# KiCad board Inn BEC Panelized_panelized.kicad_pcb (continued)
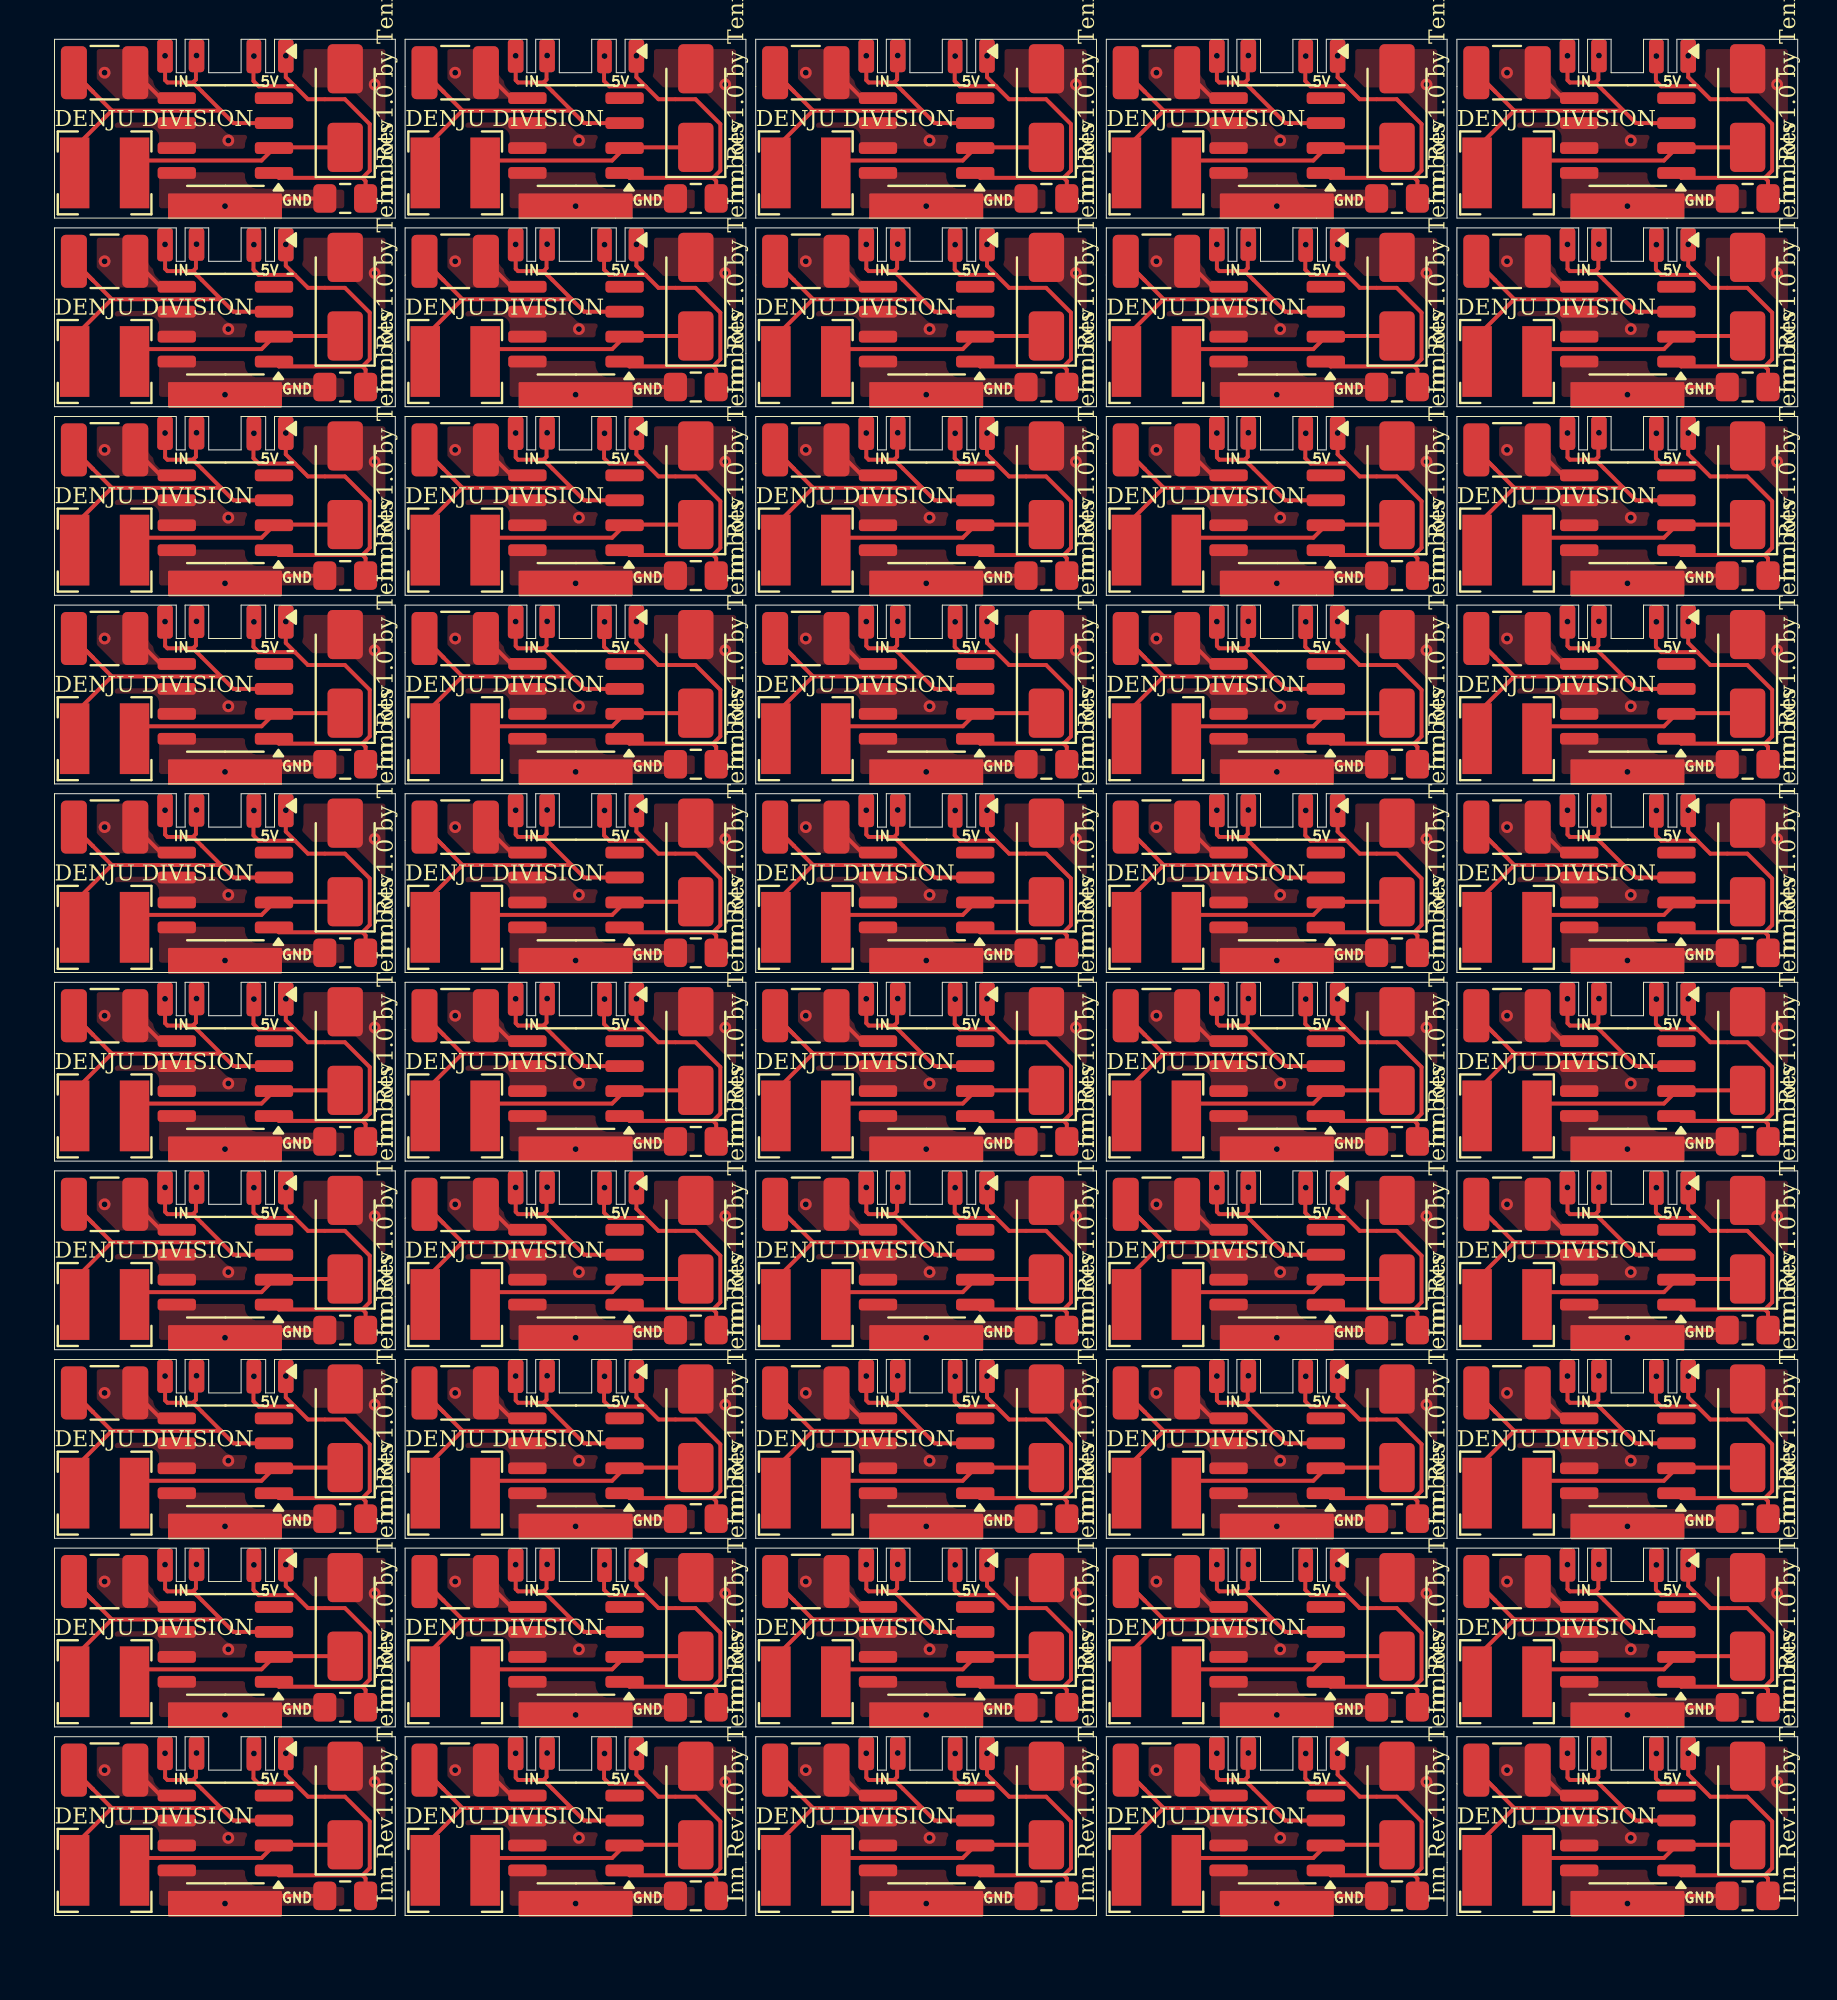
[diagram p0: board, top side]
## Placement (name value [footprint] x y rotation side) (continued)
J1#10  Conn_01x03_Socket  [TO-252-2]  8.68 41.85 270 top
J1#11  Conn_01x03_Socket  [TO-252-2]  80.08 3.45 270 top
J1#12  Conn_01x03_Socket  [TO-252-2]  8.68 89.85 270 top
J1#13  Conn_01x03_Socket  [TO-252-2]  62.23 41.85 270 top
J1#14  Conn_01x03_Socket  [TO-252-2]  80.08 13.05 270 top
J1#15  Conn_01x03_Socket  [TO-252-2]  62.23 32.25 270 top
J1#16  Conn_01x03_Socket  [TO-252-2]  26.53 32.25 270 top
J1#17  Conn_01x03_Socket  [TO-252-2]  8.68 3.45 270 top
J1#18  Conn_01x03_Socket  [TO-252-2]  26.53 3.45 270 top
J1#19  Conn_01x03_Socket  [TO-252-2]  62.23 80.25 270 top
J1#20  Conn_01x03_Socket  [TO-252-2]  8.68 51.45 270 top
J1#21  Conn_01x03_Socket  [TO-252-2]  80.08 41.85 270 top
J1#22  Conn_01x03_Socket  [TO-252-2]  44.38 41.85 270 top
J1#23  Conn_01x03_Socket  [TO-252-2]  44.38 61.05 270 top
J1#24  Conn_01x03_Socket  [TO-252-2]  80.08 32.25 270 top
J1#25  Conn_01x03_Socket  [TO-252-2]  8.68 22.65 270 top
J1#26  Conn_01x03_Socket  [TO-252-2]  26.53 22.65 270 top
J1#27  Conn_01x03_Socket  [TO-252-2]  44.38 13.05 270 top
J1#28  Conn_01x03_Socket  [TO-252-2]  44.38 80.25 270 top
J1#29  Conn_01x03_Socket  [TO-252-2]  26.53 61.05 270 top
J1#30  Conn_01x03_Socket  [TO-252-2]  62.23 13.05 270 top
J1#31  Conn_01x03_Socket  [TO-252-2]  62.23 89.85 270 top
J1#32  Conn_01x03_Socket  [TO-252-2]  80.08 61.05 270 top
J1#33  Conn_01x03_Socket  [TO-252-2]  62.23 22.65 270 top
J1#34  Conn_01x03_Socket  [TO-252-2]  62.23 70.65 270 top
J1#35  Conn_01x03_Socket  [TO-252-2]  44.38 89.85 270 top
J1#36  Conn_01x03_Socket  [TO-252-2]  62.23 3.45 270 top
J1#37  Conn_01x03_Socket  [TO-252-2]  26.53 51.45 270 top
J1#38  Conn_01x03_Socket  [TO-252-2]  80.08 80.25 270 top
J1#39  Conn_01x03_Socket  [TO-252-2]  44.38 3.45 270 top
J1#40  Conn_01x03_Socket  [TO-252-2]  62.23 51.45 270 top
J1#41  Conn_01x03_Socket  [TO-252-2]  8.68 32.25 270 top
J1#42  Conn_01x03_Socket  [TO-252-2]  80.08 22.65 270 top
J1#43  Conn_01x03_Socket  [TO-252-2]  8.68 70.65 270 top
J1#44  Conn_01x03_Socket  [TO-252-2]  26.53 41.85 270 top
J1#45  Conn_01x03_Socket  [TO-252-2]  26.53 80.25 270 top
J1#46  Conn_01x03_Socket  [TO-252-2]  80.08 51.45 270 top
J1#47  Conn_01x03_Socket  [TO-252-2]  26.53 70.65 270 top
J1#48  Conn_01x03_Socket  [TO-252-2]  44.38 70.65 270 top
J1#49  Conn_01x03_Socket  [TO-252-2]  8.68 61.05 270 top
J1#50  Conn_01x03_Socket  [TO-252-2]  44.38 51.45 270 top
L1  68uH  [L_Bourns-SRN4018]  2.55 40.7 180 top
L1#2  68uH  [L_Bourns-SRN4018]  38.25 79.1 180 top
L1#3  68uH  [L_Bourns-SRN4018]  73.95 50.3 180 top
L1#4  68uH  [L_Bourns-SRN4018]  56.1 31.1 180 top
L1#5  68uH  [L_Bourns-SRN4018]  20.4 21.5 180 top
L1#6  68uH  [L_Bourns-SRN4018]  20.4 11.9 180 top
L1#7  68uH  [L_Bourns-SRN4018]  73.95 31.1 180 top
L1#8  68uH  [L_Bourns-SRN4018]  38.25 88.7 180 top
L1#9  68uH  [L_Bourns-SRN4018]  56.1 40.7 180 top
L1#10  68uH  [L_Bourns-SRN4018]  73.95 79.1 180 top
L1#11  68uH  [L_Bourns-SRN4018]  56.1 79.1 180 top
L1#12  68uH  [L_Bourns-SRN4018]  56.1 59.9 180 top
L1#13  68uH  [L_Bourns-SRN4018]  20.4 79.1 180 top
L1#14  68uH  [L_Bourns-SRN4018]  73.95 2.3 180 top
L1#15  68uH  [L_Bourns-SRN4018]  20.4 59.9 180 top
L1#16  68uH  [L_Bourns-SRN4018]  20.4 50.3 180 top
L1#17  68uH  [L_Bourns-SRN4018]  56.1 69.5 180 top
L1#18  68uH  [L_Bourns-SRN4018]  56.1 21.5 180 top
L1#19  68uH  [L_Bourns-SRN4018]  73.95 69.5 180 top
L1#20  68uH  [L_Bourns-SRN4018]  2.55 2.3 180 top
L1#21  68uH  [L_Bourns-SRN4018]  73.95 40.7 180 top
L1#22  68uH  [L_Bourns-SRN4018]  2.55 11.9 180 top
L1#23  68uH  [L_Bourns-SRN4018]  2.55 31.1 180 top
L1#24  68uH  [L_Bourns-SRN4018]  2.55 88.7 180 top
L1#25  68uH  [L_Bourns-SRN4018]  20.4 31.1 180 top
L1#26  68uH  [L_Bourns-SRN4018]  56.1 2.3 180 top
L1#27  68uH  [L_Bourns-SRN4018]  2.55 59.9 180 top
L1#28  68uH  [L_Bourns-SRN4018]  38.25 2.3 180 top
L1#29  68uH  [L_Bourns-SRN4018]  73.95 88.7 180 top
L1#30  68uH  [L_Bourns-SRN4018]  73.95 59.9 180 top
L1#31  68uH  [L_Bourns-SRN4018]  56.1 88.7 180 top
L1#32  68uH  [L_Bourns-SRN4018]  56.1 11.9 180 top
L1#33  68uH  [L_Bourns-SRN4018]  38.25 21.5 180 top
L1#34  68uH  [L_Bourns-SRN4018]  38.25 59.9 180 top
L1#35  68uH  [L_Bourns-SRN4018]  20.4 40.7 180 top
L1#36  68uH  [L_Bourns-SRN4018]  73.95 11.9 180 top
L1#37  68uH  [L_Bourns-SRN4018]  2.55 21.5 180 top
L1#38  68uH  [L_Bourns-SRN4018]  38.25 31.1 180 top
L1#39  68uH  [L_Bourns-SRN4018]  2.55 69.5 180 top
L1#40  68uH  [L_Bourns-SRN4018]  38.25 11.9 180 top
L1#41  68uH  [L_Bourns-SRN4018]  38.25 69.5 180 top
L1#42  68uH  [L_Bourns-SRN4018]  2.55 50.3 180 top
L1#43  68uH  [L_Bourns-SRN4018]  20.4 88.7 180 top
L1#44  68uH  [L_Bourns-SRN4018]  38.25 50.3 180 top
L1#45  68uH  [L_Bourns-SRN4018]  20.4 69.5 180 top
L1#46  68uH  [L_Bourns-SRN4018]  2.55 79.1 180 top
L1#47  68uH  [L_Bourns-SRN4018]  56.1 50.3 180 top
L1#48  68uH  [L_Bourns-SRN4018]  20.4 2.3 180 top
L1#49  68uH  [L_Bourns-SRN4018]  73.95 21.5 180 top
L1#50  68uH  [L_Bourns-SRN4018]  38.25 40.7 180 top
U1  XL1509-5.0  [SOIC-8_3.9x4.9mm_P1.27mm]  26.55 90.6 180 top
U1#2  XL1509-5.0  [SOIC-8_3.9x4.9mm_P1.27mm]  44.4 13.8 180 top
U1#3  XL1509-5.0  [SOIC-8_3.9x4.9mm_P1.27mm]  8.7 81 180 top
U1#4  XL1509-5.0  [SOIC-8_3.9x4.9mm_P1.27mm]  44.4 71.4 180 top
U1#5  XL1509-5.0  [SOIC-8_3.9x4.9mm_P1.27mm]  8.7 71.4 180 top
U1#6  XL1509-5.0  [SOIC-8_3.9x4.9mm_P1.27mm]  26.55 52.2 180 top
U1#7  XL1509-5.0  [SOIC-8_3.9x4.9mm_P1.27mm]  44.4 4.2 180 top
U1#8  XL1509-5.0  [SOIC-8_3.9x4.9mm_P1.27mm]  8.7 90.6 180 top
U1#9  XL1509-5.0  [SOIC-8_3.9x4.9mm_P1.27mm]  62.25 90.6 180 top
U1#10  XL1509-5.0  [SOIC-8_3.9x4.9mm_P1.27mm]  8.7 61.8 180 top
U1#11  XL1509-5.0  [SOIC-8_3.9x4.9mm_P1.27mm]  44.4 90.6 180 top
U1#12  XL1509-5.0  [SOIC-8_3.9x4.9mm_P1.27mm]  62.25 52.2 180 top
U1#13  XL1509-5.0  [SOIC-8_3.9x4.9mm_P1.27mm]  80.1 61.8 180 top
U1#14  XL1509-5.0  [SOIC-8_3.9x4.9mm_P1.27mm]  62.25 13.8 180 top
U1#15  XL1509-5.0  [SOIC-8_3.9x4.9mm_P1.27mm]  80.1 52.2 180 top
U1#16  XL1509-5.0  [SOIC-8_3.9x4.9mm_P1.27mm]  44.4 52.2 180 top
U1#17  XL1509-5.0  [SOIC-8_3.9x4.9mm_P1.27mm]  44.4 33 180 top
U1#18  XL1509-5.0  [SOIC-8_3.9x4.9mm_P1.27mm]  62.25 33 180 top
U1#19  XL1509-5.0  [SOIC-8_3.9x4.9mm_P1.27mm]  80.1 71.4 180 top
U1#20  XL1509-5.0  [SOIC-8_3.9x4.9mm_P1.27mm]  26.55 61.8 180 top
U1#21  XL1509-5.0  [SOIC-8_3.9x4.9mm_P1.27mm]  62.25 4.2 180 top
U1#22  XL1509-5.0  [SOIC-8_3.9x4.9mm_P1.27mm]  80.1 4.2 180 top
U1#23  XL1509-5.0  [SOIC-8_3.9x4.9mm_P1.27mm]  44.4 42.6 180 top
U1#24  XL1509-5.0  [SOIC-8_3.9x4.9mm_P1.27mm]  8.7 33 180 top
U1#25  XL1509-5.0  [SOIC-8_3.9x4.9mm_P1.27mm]  8.7 4.2 180 top
U1#26  XL1509-5.0  [SOIC-8_3.9x4.9mm_P1.27mm]  26.55 33 180 top
U1#27  XL1509-5.0  [SOIC-8_3.9x4.9mm_P1.27mm]  26.55 42.6 180 top
U1#28  XL1509-5.0  [SOIC-8_3.9x4.9mm_P1.27mm]  80.1 42.6 180 top
U1#29  XL1509-5.0  [SOIC-8_3.9x4.9mm_P1.27mm]  8.7 42.6 180 top
U1#30  XL1509-5.0  [SOIC-8_3.9x4.9mm_P1.27mm]  8.7 52.2 180 top
U1#31  XL1509-5.0  [SOIC-8_3.9x4.9mm_P1.27mm]  62.25 81 180 top
U1#32  XL1509-5.0  [SOIC-8_3.9x4.9mm_P1.27mm]  26.55 13.8 180 top
U1#33  XL1509-5.0  [SOIC-8_3.9x4.9mm_P1.27mm]  62.25 42.6 180 top
U1#34  XL1509-5.0  [SOIC-8_3.9x4.9mm_P1.27mm]  26.55 81 180 top
U1#35  XL1509-5.0  [SOIC-8_3.9x4.9mm_P1.27mm]  26.55 4.2 180 top
U1#36  XL1509-5.0  [SOIC-8_3.9x4.9mm_P1.27mm]  26.55 23.4 180 top
U1#37  XL1509-5.0  [SOIC-8_3.9x4.9mm_P1.27mm]  80.1 81 180 top
U1#38  XL1509-5.0  [SOIC-8_3.9x4.9mm_P1.27mm]  44.4 61.8 180 top
U1#39  XL1509-5.0  [SOIC-8_3.9x4.9mm_P1.27mm]  80.1 90.6 180 top
U1#40  XL1509-5.0  [SOIC-8_3.9x4.9mm_P1.27mm]  8.7 23.4 180 top
U1#41  XL1509-5.0  [SOIC-8_3.9x4.9mm_P1.27mm]  62.25 71.4 180 top
U1#42  XL1509-5.0  [SOIC-8_3.9x4.9mm_P1.27mm]  62.25 61.8 180 top
U1#43  XL1509-5.0  [SOIC-8_3.9x4.9mm_P1.27mm]  80.1 13.8 180 top
U1#44  XL1509-5.0  [SOIC-8_3.9x4.9mm_P1.27mm]  80.1 33 180 top
U1#45  XL1509-5.0  [SOIC-8_3.9x4.9mm_P1.27mm]  62.25 23.4 180 top
U1#46  XL1509-5.0  [SOIC-8_3.9x4.9mm_P1.27mm]  8.7 13.8 180 top
U1#47  XL1509-5.0  [SOIC-8_3.9x4.9mm_P1.27mm]  80.1 23.4 180 top
U1#48  XL1509-5.0  [SOIC-8_3.9x4.9mm_P1.27mm]  44.4 23.4 180 top
U1#49  XL1509-5.0  [SOIC-8_3.9x4.9mm_P1.27mm]  44.4 81 180 top
U1#50  XL1509-5.0  [SOIC-8_3.9x4.9mm_P1.27mm]  26.55 71.4 180 top

## Library data of the parts
C1 C1#2-C1#28 C1#30-C1#50 C2 C2#2-C2#41 C2#43-C2#50 = -: Description: Unpolarized capacitor
C1#29 C2#42 = -: Description: Unpolarized capacitor; ki_fp_filters: C_*
D2 D2#2-D2#10 D2#12-D2#50 = -: Description: Schottky diode
D2#11 = -: Description: Schottky diode; ki_fp_filters: TO-???* *_Diode_* *SingleDiode* D_*
J1 J1#2-J1#16 J1#18-J1#50 = -: Description: Generic connector, single row, 01x03, script generated
J1#17 = -: Description: Generic connector, single row, 01x03, script generated; ki_fp_filters: Connector*:*_1x??_*
L1 L1#2-L1#19 L1#21-L1#50 = -: Description: Inductor
L1#20 = -: Description: Inductor; ki_fp_filters: Choke_* *Coil* Inductor_* L_*
U1 U1#2-U1#24 U1#26-U1#50 = -: Datasheet: https://datasheet.lcsc.com/lcsc/1809050422_XLSEMI-XL1509-5-0E1_C61063.pdf; Description: Buck DC/DC Converter, 2A, 5V Output Voltage, 7-40V Input Voltage
U1#25 = -: Datasheet: https://datasheet.lcsc.com/lcsc/1809050422_XLSEMI-XL1509-5-0E1_C61063.pdf; Description: Buck DC/DC Converter, 2A, 5V Output Voltage, 7-40V Input Voltage; ki_fp_filters: SOIC*3.9x4.9mm*P1.27mm*

## Footprints (pads in the part's own frame, mm; a bottom-side part is the same pattern mirrored in y, then rotated)
C_0805_2012Metric_Pad1.18x1.45mm_HandSolder
  rrect 1.175x1.45 smd: 1(-1.038,0) 2(1.038,0)
C_1210_3225Metric_Pad1.33x2.70mm_HandSolder
  rrect 1.325x2.7 smd: 1(-1.562,0) 2(1.562,0)
D_SMA
  rrect 2.5x1.8 smd: 1(-2,0) 2(2,0)
L_Bourns-SRN4018
  rect 1.5x3.6 smd: 1(-1.525,0) 2(1.525,0)
SOIC-8_3.9x4.9mm_P1.27mm
  rrect 1.95x0.6 smd: 1(-2.475,1.905) 2(-2.475,0.635) 3(-2.475,-0.635) 4(-2.475,-1.905) 5(2.475,-1.905) 6(2.475,-0.635) 7(2.475,0.635) 8(2.475,1.905)
TO-252-2
  rrect 1.7x0.79 smd far side: 1(-4.8,3.098)
  rrect 1.7x0.79 smd: 1(-4.8,3.095)
  rrect 1.725x0.745 smd far side: 1(-4.787,1.475)
  rrect 1.725x0.745 smd: 1(-4.787,1.472)
  rrect 1.3x5.8 smd: 2(2.85,0)
  rrect 1.3x5.8 smd far side: 2(2.85,0)
  rrect 1.675x0.79 smd far side: 3(-4.812,-1.448)
  rrect 1.675x0.79 smd: 3(-4.812,-1.45)
  rrect 1.7x0.795 smd far side: 3(-4.8,-3.05)
  rrect 1.7x0.795 smd: 3(-4.8,-3.053)

## Nets
GND: C1.2 C1#2.2 C1#3.2 C1#4.2 C1#5.2 C1#6.2 C1#7.2 C1#8.2 C1#9.2 C1#10.2 C1#11.2 C1#12.2 C1#13.2 C1#14.2 C1#15.2 C1#16.2 C1#17.2 C1#18.2 C1#19.2 C1#20.2 C1#21.2 C1#22.2 C1#23.2 C1#24.2 C1#25.2 C1#26.2 C1#27.2 C1#28.2 C1#29.2 C1#30.2 C1#31.2 C1#32.2 C1#33.2 C1#34.2 C1#35.2 C1#36.2 C1#37.2 C1#38.2 C1#39.2 C1#40.2 C1#41.2 C1#42.2 C1#43.2 C1#44.2 C1#45.2 C1#46.2 C1#47.2 C1#48.2 C1#49.2 C1#50.2 C2.2 C2#2.2 C2#3.2 C2#4.2 C2#5.2 C2#6.2 C2#7.2 C2#8.2 C2#9.2 C2#10.2 C2#11.2 C2#12.2 C2#13.2 C2#14.2 C2#15.2 C2#16.2 C2#17.2 C2#18.2 C2#19.2 C2#20.2 C2#21.2 C2#22.2 C2#23.2 C2#24.2 C2#25.2 C2#26.2 C2#27.2 C2#28.2 C2#29.2 C2#30.2 C2#31.2 C2#32.2 C2#33.2 C2#34.2 C2#35.2 C2#36.2 C2#37.2 C2#38.2 C2#39.2 C2#40.2 C2#41.2 C2#42.2 C2#43.2 C2#44.2 C2#45.2 C2#46.2 C2#47.2 C2#48.2 C2#49.2 C2#50.2 D2.2 D2#2.2 D2#3.2 D2#4.2 D2#5.2 D2#6.2 D2#7.2 D2#8.2 D2#9.2 D2#10.2 D2#11.2 D2#12.2 D2#13.2 D2#14.2 D2#15.2 D2#16.2 D2#17.2 D2#18.2 D2#19.2 D2#20.2 D2#21.2 D2#22.2 D2#23.2 D2#24.2 D2#25.2 D2#26.2 D2#27.2 D2#28.2 D2#29.2 D2#30.2 D2#31.2 D2#32.2 D2#33.2 D2#34.2 D2#35.2 D2#36.2 D2#37.2 D2#38.2 D2#39.2 D2#40.2 D2#41.2 D2#42.2 D2#43.2 D2#44.2 D2#45.2 D2#46.2 D2#47.2 D2#48.2 D2#49.2 D2#50.2 J1.2 J1#2.2 J1#3.2 J1#4.2 J1#5.2 J1#6.2 J1#7.2 J1#8.2 J1#9.2 J1#10.2 J1#11.2 J1#12.2 J1#13.2 J1#14.2 J1#15.2 J1#16.2 J1#17.2 J1#18.2 J1#19.2 J1#20.2 J1#21.2 J1#22.2 J1#23.2 J1#24.2 J1#25.2 J1#26.2 J1#27.2 J1#28.2 J1#29.2 J1#30.2 J1#31.2 J1#32.2 J1#33.2 J1#34.2 J1#35.2 J1#36.2 J1#37.2 J1#38.2 J1#39.2 J1#40.2 J1#41.2 J1#42.2 J1#43.2 J1#44.2 J1#45.2 J1#46.2 J1#47.2 J1#48.2 J1#49.2 J1#50.2 U1.5 U1.6 U1.7 U1.8 U1#2.5 U1#2.6 U1#2.7 U1#2.8 U1#3.5 U1#3.6 U1#3.7 U1#3.8 U1#4.5 U1#4.6 U1#4.7 U1#4.8 U1#5.5 U1#5.6 U1#5.7 U1#5.8 U1#6.5 U1#6.6 U1#6.7 U1#6.8 U1#7.5 U1#7.6 U1#7.7 U1#7.8 U1#8.5 U1#8.6 U1#8.7 U1#8.8 U1#9.5 U1#9.6 U1#9.7 U1#9.8 U1#10.5 U1#10.6 U1#10.7 U1#10.8 U1#11.5 U1#11.6 U1#11.7 U1#11.8 U1#12.5 U1#12.6 U1#12.7 U1#12.8 U1#13.5 U1#13.6 U1#13.7 U1#13.8 U1#14.5 U1#14.6 U1#14.7 U1#14.8 U1#15.5 U1#15.6 U1#15.7 U1#15.8 U1#16.5 U1#16.6 U1#16.7 U1#16.8 U1#17.5 U1#17.6 U1#17.7 U1#17.8 U1#18.5 U1#18.6 U1#18.7 U1#18.8 U1#19.5 U1#19.6 U1#19.7 U1#19.8 U1#20.5 U1#20.6 U1#20.7 U1#20.8 U1#21.5 U1#21.6 U1#21.7 U1#21.8 U1#22.5 U1#22.6 U1#22.7 U1#22.8 U1#23.5 U1#23.6 U1#23.7 U1#23.8 U1#24.5 U1#24.6 U1#24.7 U1#24.8 U1#25.5 U1#25.6 U1#25.7 U1#25.8 U1#26.5 U1#26.6 U1#26.7 U1#26.8 U1#27.5 U1#27.6 U1#27.7 U1#27.8 U1#28.5 U1#28.6 U1#28.7 U1#28.8 U1#29.5 U1#29.6 U1#29.7 U1#29.8 U1#30.5 U1#30.6 U1#30.7 U1#30.8 U1#31.5 U1#31.6 U1#31.7 U1#31.8 U1#32.5 U1#32.6 U1#32.7 U1#32.8 U1#33.5 U1#33.6 U1#33.7 U1#33.8 U1#34.5 U1#34.6 U1#34.7 U1#34.8 U1#35.5 U1#35.6 U1#35.7 U1#35.8 U1#36.5 U1#36.6 U1#36.7 U1#36.8 U1#37.5 U1#37.6 U1#37.7 U1#37.8 U1#38.5 U1#38.6 U1#38.7 U1#38.8 U1#39.5 U1#39.6 U1#39.7 U1#39.8 U1#40.5 U1#40.6 U1#40.7 U1#40.8 U1#41.5 U1#41.6 U1#41.7 U1#41.8 U1#42.5 U1#42.6 U1#42.7 U1#42.8 U1#43.5 U1#43.6 U1#43.7 U1#43.8 U1#44.5 U1#44.6 U1#44.7 U1#44.8 U1#45.5 U1#45.6 U1#45.7 U1#45.8 U1#46.5 U1#46.6 U1#46.7 U1#46.8 U1#47.5 U1#47.6 U1#47.7 U1#47.8 U1#48.5 U1#48.6 U1#48.7 U1#48.8 U1#49.5 U1#49.6 U1#49.7 U1#49.8 U1#50.5 U1#50.6 U1#50.7 U1#50.8
Net-(D2-K): D2.1 D2#2.1 D2#3.1 D2#4.1 D2#5.1 D2#6.1 D2#7.1 D2#8.1 D2#9.1 D2#10.1 D2#11.1 D2#12.1 D2#13.1 D2#14.1 D2#15.1 D2#16.1 D2#17.1 D2#18.1 D2#19.1 D2#20.1 D2#21.1 D2#22.1 D2#23.1 D2#24.1 D2#25.1 D2#26.1 D2#27.1 D2#28.1 D2#29.1 D2#30.1 D2#31.1 D2#32.1 D2#33.1 D2#34.1 D2#35.1 D2#36.1 D2#37.1 D2#38.1 D2#39.1 D2#40.1 D2#41.1 D2#42.1 D2#43.1 D2#44.1 D2#45.1 D2#46.1 D2#47.1 D2#48.1 D2#49.1 D2#50.1 L1.1 L1#2.1 L1#3.1 L1#4.1 L1#5.1 L1#6.1 L1#7.1 L1#8.1 L1#9.1 L1#10.1 L1#11.1 L1#12.1 L1#13.1 L1#14.1 L1#15.1 L1#16.1 L1#17.1 L1#18.1 L1#19.1 L1#20.1 L1#21.1 L1#22.1 L1#23.1 L1#24.1 L1#25.1 L1#26.1 L1#27.1 L1#28.1 L1#29.1 L1#30.1 L1#31.1 L1#32.1 L1#33.1 L1#34.1 L1#35.1 L1#36.1 L1#37.1 L1#38.1 L1#39.1 L1#40.1 L1#41.1 L1#42.1 L1#43.1 L1#44.1 L1#45.1 L1#46.1 L1#47.1 L1#48.1 L1#49.1 L1#50.1 U1.2 U1#2.2 U1#3.2 U1#4.2 U1#5.2 U1#6.2 U1#7.2 U1#8.2 U1#9.2 U1#10.2 U1#11.2 U1#12.2 U1#13.2 U1#14.2 U1#15.2 U1#16.2 U1#17.2 U1#18.2 U1#19.2 U1#20.2 U1#21.2 U1#22.2 U1#23.2 U1#24.2 U1#25.2 U1#26.2 U1#27.2 U1#28.2 U1#29.2 U1#30.2 U1#31.2 U1#32.2 U1#33.2 U1#34.2 U1#35.2 U1#36.2 U1#37.2 U1#38.2 U1#39.2 U1#40.2 U1#41.2 U1#42.2 U1#43.2 U1#44.2 U1#45.2 U1#46.2 U1#47.2 U1#48.2 U1#49.2 U1#50.2
Net-(J1-Pin_1): C2.1 C2#2.1 C2#3.1 C2#4.1 C2#5.1 C2#6.1 C2#7.1 C2#8.1 C2#9.1 C2#10.1 C2#11.1 C2#12.1 C2#13.1 C2#14.1 C2#15.1 C2#16.1 C2#17.1 C2#18.1 C2#19.1 C2#20.1 C2#21.1 C2#22.1 C2#23.1 C2#24.1 C2#25.1 C2#26.1 C2#27.1 C2#28.1 C2#29.1 C2#30.1 C2#31.1 C2#32.1 C2#33.1 C2#34.1 C2#35.1 C2#36.1 C2#37.1 C2#38.1 C2#39.1 C2#40.1 C2#41.1 C2#42.1 C2#43.1 C2#44.1 C2#45.1 C2#46.1 C2#47.1 C2#48.1 C2#49.1 C2#50.1 J1.1 J1#2.1 J1#3.1 J1#4.1 J1#5.1 J1#6.1 J1#7.1 J1#8.1 J1#9.1 J1#10.1 J1#11.1 J1#12.1 J1#13.1 J1#14.1 J1#15.1 J1#16.1 J1#17.1 J1#18.1 J1#19.1 J1#20.1 J1#21.1 J1#22.1 J1#23.1 J1#24.1 J1#25.1 J1#26.1 J1#27.1 J1#28.1 J1#29.1 J1#30.1 J1#31.1 J1#32.1 J1#33.1 J1#34.1 J1#35.1 J1#36.1 J1#37.1 J1#38.1 J1#39.1 J1#40.1 J1#41.1 J1#42.1 J1#43.1 J1#44.1 J1#45.1 J1#46.1 J1#47.1 J1#48.1 J1#49.1 J1#50.1 U1.1 U1#2.1 U1#3.1 U1#4.1 U1#5.1 U1#6.1 U1#7.1 U1#8.1 U1#9.1 U1#10.1 U1#11.1 U1#12.1 U1#13.1 U1#14.1 U1#15.1 U1#16.1 U1#17.1 U1#18.1 U1#19.1 U1#20.1 U1#21.1 U1#22.1 U1#23.1 U1#24.1 U1#25.1 U1#26.1 U1#27.1 U1#28.1 U1#29.1 U1#30.1 U1#31.1 U1#32.1 U1#33.1 U1#34.1 U1#35.1 U1#36.1 U1#37.1 U1#38.1 U1#39.1 U1#40.1 U1#41.1 U1#42.1 U1#43.1 U1#44.1 U1#45.1 U1#46.1 U1#47.1 U1#48.1 U1#49.1 U1#50.1
Net-(J1-Pin_3): C1.1 C1#2.1 C1#3.1 C1#4.1 C1#5.1 C1#6.1 C1#7.1 C1#8.1 C1#9.1 C1#10.1 C1#11.1 C1#12.1 C1#13.1 C1#14.1 C1#15.1 C1#16.1 C1#17.1 C1#18.1 C1#19.1 C1#20.1 C1#21.1 C1#22.1 C1#23.1 C1#24.1 C1#25.1 C1#26.1 C1#27.1 C1#28.1 C1#29.1 C1#30.1 C1#31.1 C1#32.1 C1#33.1 C1#34.1 C1#35.1 C1#36.1 C1#37.1 C1#38.1 C1#39.1 C1#40.1 C1#41.1 C1#42.1 C1#43.1 C1#44.1 C1#45.1 C1#46.1 C1#47.1 C1#48.1 C1#49.1 C1#50.1 J1.3 J1#2.3 J1#3.3 J1#4.3 J1#5.3 J1#6.3 J1#7.3 J1#8.3 J1#9.3 J1#10.3 J1#11.3 J1#12.3 J1#13.3 J1#14.3 J1#15.3 J1#16.3 J1#17.3 J1#18.3 J1#19.3 J1#20.3 J1#21.3 J1#22.3 J1#23.3 J1#24.3 J1#25.3 J1#26.3 J1#27.3 J1#28.3 J1#29.3 J1#30.3 J1#31.3 J1#32.3 J1#33.3 J1#34.3 J1#35.3 J1#36.3 J1#37.3 J1#38.3 J1#39.3 J1#40.3 J1#41.3 J1#42.3 J1#43.3 J1#44.3 J1#45.3 J1#46.3 J1#47.3 J1#48.3 J1#49.3 J1#50.3 L1.2 L1#2.2 L1#3.2 L1#4.2 L1#5.2 L1#6.2 L1#7.2 L1#8.2 L1#9.2 L1#10.2 L1#11.2 L1#12.2 L1#13.2 L1#14.2 L1#15.2 L1#16.2 L1#17.2 L1#18.2 L1#19.2 L1#20.2 L1#21.2 L1#22.2 L1#23.2 L1#24.2 L1#25.2 L1#26.2 L1#27.2 L1#28.2 L1#29.2 L1#30.2 L1#31.2 L1#32.2 L1#33.2 L1#34.2 L1#35.2 L1#36.2 L1#37.2 L1#38.2 L1#39.2 L1#40.2 L1#41.2 L1#42.2 L1#43.2 L1#44.2 L1#45.2 L1#46.2 L1#47.2 L1#48.2 L1#49.2 L1#50.2 U1.3 U1#2.3 U1#3.3 U1#4.3 U1#5.3 U1#6.3 U1#7.3 U1#8.3 U1#9.3 U1#10.3 U1#11.3 U1#12.3 U1#13.3 U1#14.3 U1#15.3 U1#16.3 U1#17.3 U1#18.3 U1#19.3 U1#20.3 U1#21.3 U1#22.3 U1#23.3 U1#24.3 U1#25.3 U1#26.3 U1#27.3 U1#28.3 U1#29.3 U1#30.3 U1#31.3 U1#32.3 U1#33.3 U1#34.3 U1#35.3 U1#36.3 U1#37.3 U1#38.3 U1#39.3 U1#40.3 U1#41.3 U1#42.3 U1#43.3 U1#44.3 U1#45.3 U1#46.3 U1#47.3 U1#48.3 U1#49.3 U1#50.3

Pads without a net: U1 4; U1#2 4; U1#3 4; U1#4 4; U1#5 4; U1#6 4; U1#7 4; U1#8 4; U1#9 4; U1#10 4; U1#11 4; U1#12 4; U1#13 4; U1#14 4; U1#15 4; U1#16 4; U1#17 4; U1#18 4; U1#19 4; U1#20 4; U1#21 4; U1#22 4; U1#23 4; U1#24 4; U1#25 4; U1#26 4; U1#27 4; U1#28 4; U1#29 4; U1#30 4; U1#31 4; U1#32 4; U1#33 4; U1#34 4; U1#35 4; U1#36 4; U1#37 4; U1#38 4; U1#39 4; U1#40 4; U1#41 4; U1#42 4; U1#43 4; U1#44 4; U1#45 4; U1#46 4; U1#47 4; U1#48 4; U1#49 4; U1#50 4

## Via types
v1: diameter 0.6, hole 0.3, Top to Bottom, 400 vias

## Routing (per net, layer and track width the routed paths; a pad name or vN(x,y) marks a point on that pad's centre or on a via; arc(x,y) is an arc through that point)
GND: length 394.6
  Top w0.2: U1#38.5 41.11,63.7 C1#13.2 ; v1(44.38,19.81) 46.48,19.81 46.87,20.2 C2#46.2 ; C1#37.2 58.96,63.7 U1#42.5 ; U1#50.5 23.26,73.3 C1#5.2 ; C1#49.2 23.26,92.5 U1.5 ; C2#50.2 82.57,68.2 82.18,67.81 v1(80.08,67.81) ; C2#4.2 64.72,77.8 64.33,77.41 v1(62.23,77.41) ; C2#31.2 64.72,49 64.33,48.61 v1(62.23,48.61) ; v1(26.53,39.01) 28.63,39.01 29.02,39.4 C2#22.2 ; C1#23.2 58.96,82.9 U1#31.5 ; C1#41.2 41.11,54.1 U1#16.5 ; C1#35.2 23.26,25.3 U1#36.5 ; C1#30.2 58.96,54.1 U1#12.5 ; v1(80.08,19.81) 82.18,19.81 82.57,20.2 C2#17.2 ; C1#50.2 5.41,73.3 U1#5.5 ; C2#47.2 29.02,49 28.63,48.61 v1(26.53,48.61) ; v1(8.68,77.41) 10.78,77.41 11.17,77.8 C2#29.2 ; v1(80.08,87.01) 82.18,87.01 82.57,87.4 C2#45.2 ; U1#32.5 23.26,15.7 C1#34.2 ; U1#13.5 76.81,63.7 C1#45.2 ; C1#40.2 5.41,82.9 U1#3.5 ; U1#7.5 41.11,6.1 C1#10.2 ; v1(62.23,67.81) 64.33,67.81 64.72,68.2 C2#7.2 ; v1(26.53,19.81) 28.63,19.81 29.02,20.2 C2#35.2 ; v1(44.38,87.01) 46.48,87.01 46.87,87.4 C2#11.2 ; C2#36.2 82.57,58.6 82.18,58.21 v1(80.08,58.21) ; U1#30.5 5.41,54.1 C1#21.2 ; C1#9.2 41.11,82.9 U1#49.5 ; C2#2.2 46.87,77.8 46.48,77.41 v1(44.38,77.41) ; C2#37.2 29.02,77.8 28.63,77.41 v1(26.53,77.41) ; C1#3.2 41.11,25.3 U1#48.5 ; C1#48.2 58.96,25.3 U1#45.5 ; C2#8.2 11.17,39.4 10.78,39.01 v1(8.68,39.01) ; U1#18.5 58.96,34.9 C1#18.2 ; U1#4.5 41.11,73.3 C1#14.2 ; v1(44.38,10.21) 46.48,10.21 46.87,10.6 C2#38.2 ; C2#19.2 11.17,58.6 10.78,58.21 v1(8.68,58.21) ; C1#27.2 41.11,34.9 U1#17.5 ; U1#33.5 58.96,44.5 C1#24.2 ; v1(62.23,19.81) 64.33,19.81 64.72,20.2 C2#32.2 ; U1#26.5 23.26,34.9 C1#16.2 ; U1#24.5 5.41,34.9 C1.2 ; C1#43.2 76.81,73.3 U1#19.5 ; C1#25.2 76.81,92.5 U1#39.5 ; v1(62.23,87.01) 64.33,87.01 64.72,87.4 C2#5.2 ; C1#2.2 58.96,92.5 U1#9.5 ; v1(26.53,0.61) 28.63,0.61 29.02,1 C2#25.2 ; U1#35.5 23.26,6.1 C1#26.2 ; C1#42.2 5.41,92.5 U1#8.5 ; U1#46.5 5.41,15.7 C1#39.2 ; v1(80.08,0.61) 82.18,0.61 82.57,1 C2#9.2 ; C2#24.2 11.17,49 10.78,48.61 v1(8.68,48.61) ; v1(44.38,39.01) 46.48,39.01 46.87,39.4 C2#20.2 ; C2#44.2 64.72,58.6 64.33,58.21 v1(62.23,58.21) ; v1(26.53,29.41) 28.63,29.41 29.02,29.8 C2#6.2 ; U1#25.5 5.41,6.1 C1#29.2 ; U1#23.5 41.11,44.5 C1#32.2 ; v1(62.23,39.01) 64.33,39.01 64.72,39.4 C2#12.2 ; U1#29.5 5.41,44.5 C1#8.2 ; C1#6.2 76.81,6.1 U1#22.5 ; C2#40.2 82.57,10.6 82.18,10.21 v1(80.08,10.21) ; C2#10.2 46.87,68.2 46.48,67.81 v1(44.38,67.81) ; C1#33.2 76.81,34.9 U1#44.5 ; C2#26.2 11.17,68.2 10.78,67.81 v1(8.68,67.81) ; v1(80.08,77.41) 82.18,77.41 82.57,77.8 C2#15.2 ; C2#41.2 82.57,29.8 82.18,29.41 v1(80.08,29.41) ; C1#20.2 23.26,82.9 U1#34.5 ; v1(44.38,48.61) 46.48,48.61 46.87,49 C2#34.2 ; U1#27.5 23.26,44.5 C1#4.2 ; U1#20.5 23.26,63.7 C1#36.2 ; U1#6.5 23.26,54.1 C1#7.2 ; v1(62.23,10.21) 64.33,10.21 64.72,10.6 C2#3.2 ; v1(8.68,19.81) 10.78,19.81 11.17,20.2 C2#18.2 ; C2#39.2 82.57,49 82.18,48.61 v1(80.08,48.61) ; C1#11.2 58.96,15.7 U1#14.5 ; C1#17.2 58.96,73.3 U1#41.5 ; U1#43.5 76.81,15.7 C1#38.2 ; C1#19.2 5.41,25.3 U1#40.5 ; C2#14.2 11.17,10.6 10.78,10.21 v1(8.68,10.21) ; U1#21.5 58.96,6.1 C1#22.2 ; v1(26.53,58.21) 28.63,58.21 29.02,58.6 C2#27.2 ; C2.2 29.02,87.4 28.63,87.01 v1(26.53,87.01) ; v1(8.68,87.01) 10.78,87.01 11.17,87.4 C2#30.2 ; C2#16.2 29.02,10.6 28.63,10.21 v1(26.53,10.21) ; C1#44.2 5.41,63.7 U1#10.5 ; v1(44.38,29.41) 46.48,29.41 46.87,29.8 C2#13.2 ; C2#43.2 64.72,29.8 64.33,29.41 v1(62.23,29.41) ; v1(8.68,29.41) 10.78,29.41 11.17,29.8 C2#28.2 ; v1(80.08,39.01) 82.18,39.01 82.57,39.4 C2#49.2 ; C2#48.2 64.72,1 64.33,0.61 v1(62.23,0.61) ; U1#37.5 76.81,82.9 C1#47.2 ; C2#23.2 46.87,1 46.48,0.61 v1(44.38,0.61) ; C1#46.2 41.11,15.7 U1#2.5 ; U1#15.5 76.81,54.1 C1#12.2 ; C2#42.2 11.17,1 10.78,0.61 v1(8.68,0.61) ; U1#11.5 41.11,92.5 C1#31.2 ; C1#28.2 76.81,44.5 U1#28.5 ; v1(44.38,58.21) 46.48,58.21 46.87,58.6 C2#21.2 ; C2#33.2 29.02,68.2 28.63,67.81 v1(26.53,67.81) ; U1#47.5 76.81,25.3 C1#15.2
  vias: v1(2.55,93.8) v1(2.55,84.2) v1(2.55,74.6) v1(2.55,65) v1(2.55,55.4) v1(2.55,45.8) v1(2.55,36.2) v1(2.55,26.6) v1(2.55,17) v1(2.55,7.4) v1(8.85,90.35) v1(8.85,80.75) v1(8.85,71.15) v1(8.85,61.55) v1(8.85,51.95) v1(8.85,42.35) v1(8.85,32.75) v1(8.85,23.15) v1(8.85,13.55) v1(8.85,3.95) v1(16.3,93.2) v1(16.3,83.6) v1(16.3,74) v1(16.3,64.4) v1(16.3,54.8) v1(16.3,45.2) v1(16.3,35.6) v1(16.3,26) v1(16.3,16.4) v1(16.3,6.8) v1(20.4,93.8) v1(20.4,84.2) v1(20.4,74.6) v1(20.4,65) v1(20.4,55.4) v1(20.4,45.8) v1(20.4,36.2) v1(20.4,26.6) v1(20.4,17) v1(20.4,7.4) v1(26.7,90.35) v1(26.7,80.75) v1(26.7,71.15) v1(26.7,61.55) v1(26.7,51.95) v1(26.7,42.35) v1(26.7,32.75) v1(26.7,23.15) v1(26.7,13.55) v1(26.7,3.95) v1(34.15,93.2) v1(34.15,83.6) v1(34.15,74) v1(34.15,64.4) v1(34.15,54.8) v1(34.15,45.2) v1(34.15,35.6) v1(34.15,26) v1(34.15,16.4) v1(34.15,6.8) v1(38.25,93.8) v1(38.25,84.2) v1(38.25,74.6) v1(38.25,65) v1(38.25,55.4) v1(38.25,45.8) v1(38.25,36.2) v1(38.25,26.6) v1(38.25,17) v1(38.25,7.4) v1(44.55,90.35) v1(44.55,80.75) v1(44.55,71.15) v1(44.55,61.55) v1(44.55,51.95) v1(44.55,42.35) v1(44.55,32.75) v1(44.55,23.15) v1(44.55,13.55) v1(44.55,3.95) v1(52,93.2) v1(52,83.6) v1(52,74) v1(52,64.4) v1(52,54.8) v1(52,45.2) v1(52,35.6) v1(52,26) v1(52,16.4) v1(52,6.8) v1(56.1,93.8) v1(56.1,84.2) v1(56.1,74.6) v1(56.1,65) v1(56.1,55.4) v1(56.1,45.8) v1(56.1,36.2) v1(56.1,26.6) v1(56.1,17) v1(56.1,7.4) v1(62.4,90.35) v1(62.4,80.75) v1(62.4,71.15) v1(62.4,61.55) v1(62.4,51.95) v1(62.4,42.35) v1(62.4,32.75) v1(62.4,23.15) v1(62.4,13.55) v1(62.4,3.95) v1(69.85,93.2) v1(69.85,83.6) v1(69.85,74) v1(69.85,64.4) v1(69.85,54.8) v1(69.85,45.2) v1(69.85,35.6) v1(69.85,26) v1(69.85,16.4) v1(69.85,6.8) v1(73.95,93.8) v1(73.95,84.2) v1(73.95,74.6) v1(73.95,65) v1(73.95,55.4) v1(73.95,45.8) v1(73.95,36.2) v1(73.95,26.6) v1(73.95,17) v1(73.95,7.4) v1(80.25,90.35) v1(80.25,80.75) v1(80.25,71.15) v1(80.25,61.55) v1(80.25,51.95) v1(80.25,42.35) v1(80.25,32.75) v1(80.25,23.15) v1(80.25,13.55) v1(80.25,3.95) v1(87.7,93.2) v1(87.7,83.6) v1(87.7,74) v1(87.7,64.4) v1(87.7,54.8) v1(87.7,45.2) v1(87.7,35.6) v1(87.7,26) v1(87.7,16.4) v1(87.7,6.8)